# Altium PCB dAir_0.0.0.2_180421.PcbDoc (continued)
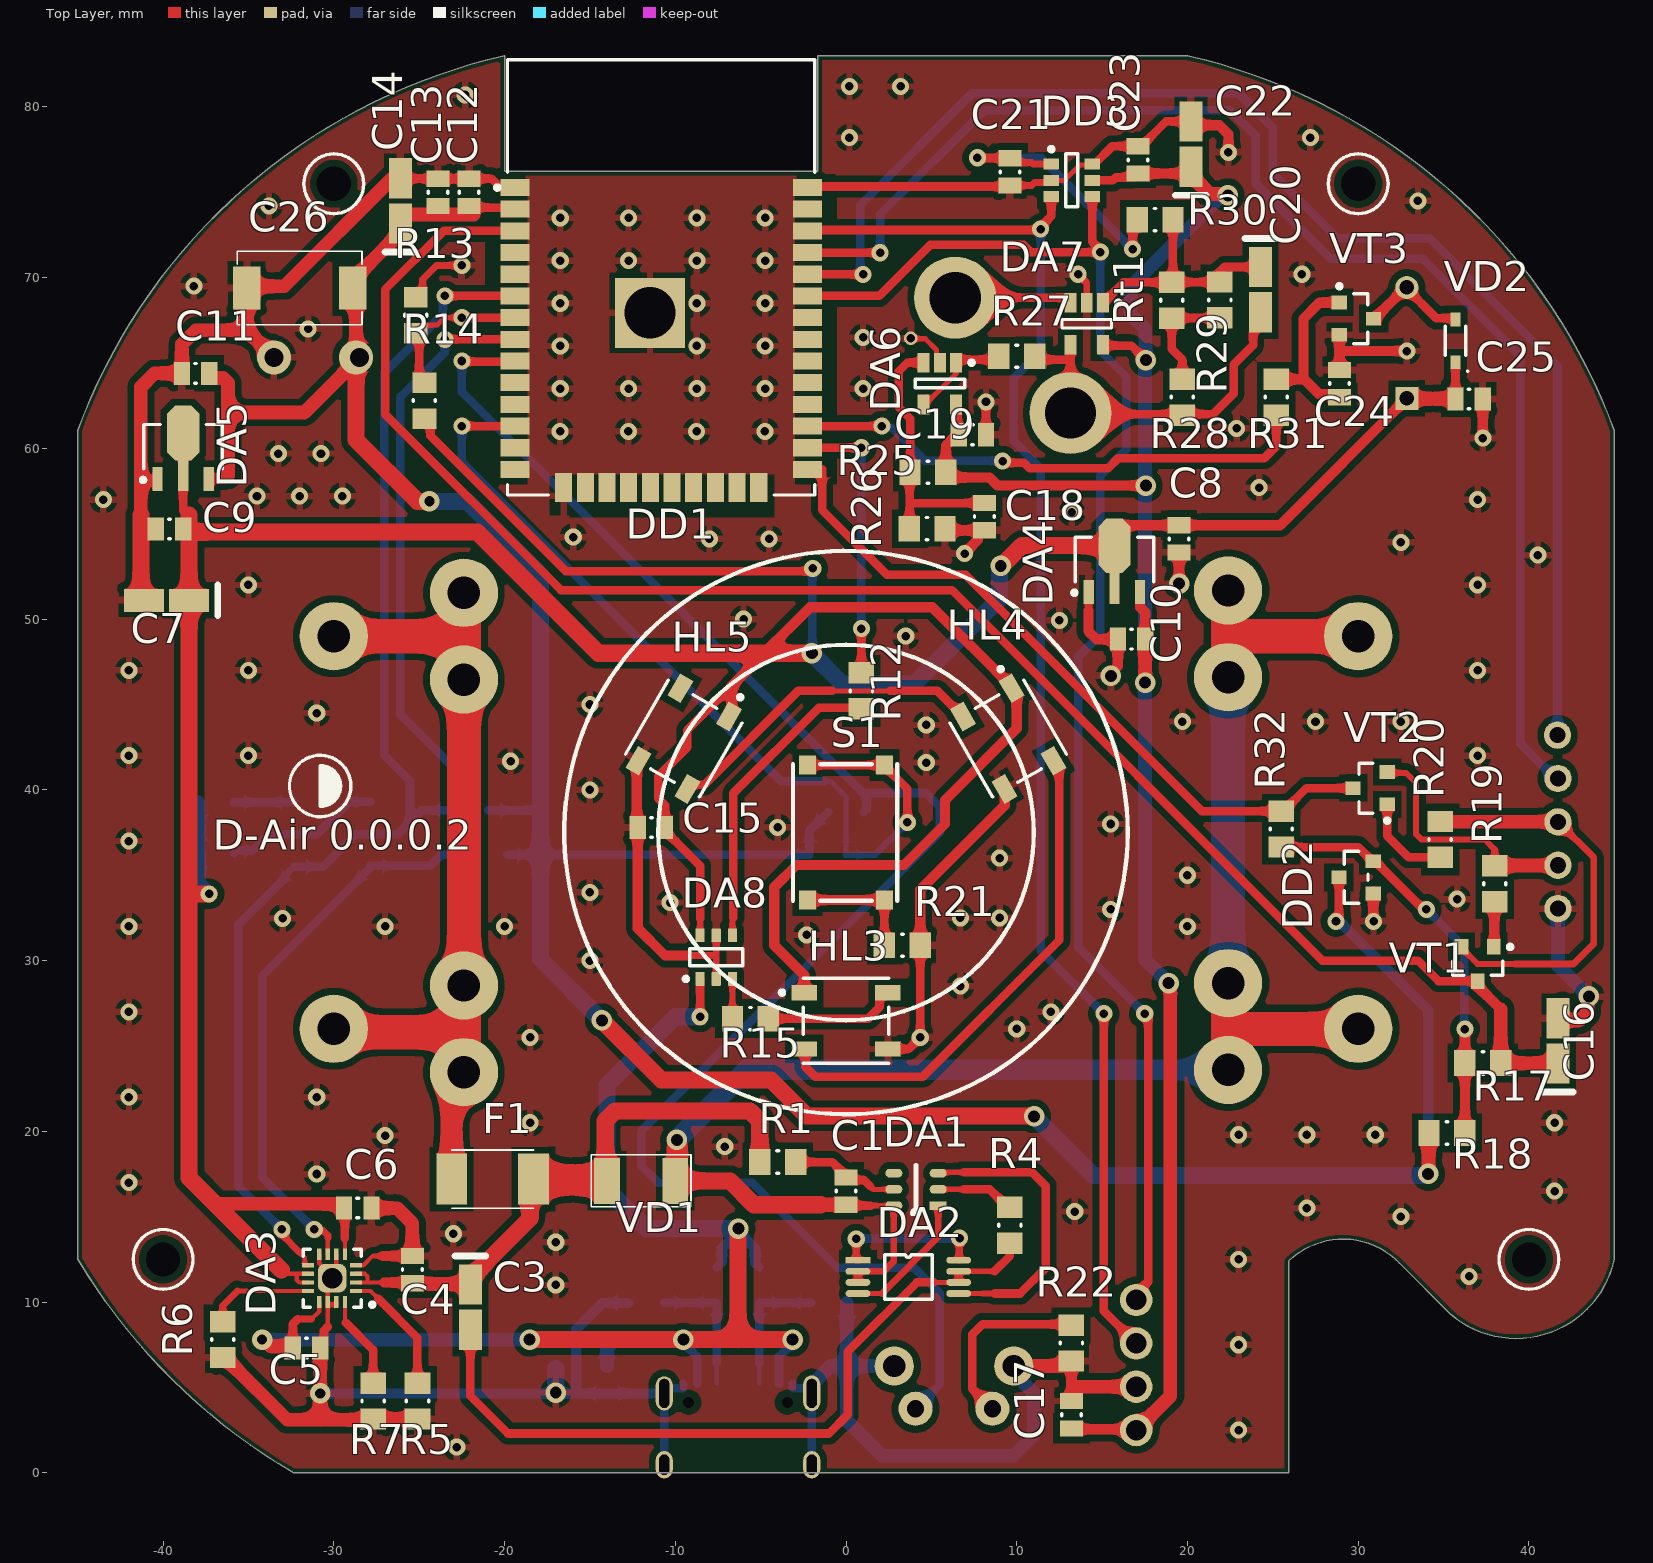
[diagram p0: Top Layer view]
## Part data
Bat1: library part АКБ_18650_KEYS54
C1 C2 C4 C5 C6 C8 C9 C10 C11 C12 C13 C15 C17 C18 C19 C21 C23: library part CMP-1036-04882-1, "CAP 4.7uF 10V ±10% 0805 (2012 Metric) Thickness 1.55mm SMD", Case-EIA=0805, Case-Metric=2012, Rated Voltage="10 V", Tolerance=Â±10%, Max Thickness="1.55 mm", Technology=SMT
C3 C7 C14 C16 C20 C22: library part CMP-2000-05172-1, Capacitance=10µF, ESR (Equivalent Series Resistance)=3.8Ohm, Lifetime @ Temp.=2000Hrs@85degC, Manufacturer=Kemet, Manufacturer Size Code=A, Operating Temperature=-55degC~125degC, Package / Case=1206(3216Metric), Package Description="2-Pin Surface Mount Device, Body 3.2 x 1.6 mm", Package Reference=1206, Standard Package=2,000, Tolerance=±10%, Voltage - Rated=10V, Catalog Drawings=T49x,T5xxSeries_A-side1T49x,T5xxSeries_A,B-side2T49x,T5xxSeries_A,SBottom, Category=Capacitors, Datasheet URL=http://www.farnell.com/datasheets/1824869.pdf, Datasheet Version=Apr-14, Family=TantalumCapacitors, Features=GeneralPurpose, Height - Seated (Max)="0.071\"(1.80mm)", Lead Spacing=-, Manufacturer URL=http://www.kemet.com/, Mounting Type=SurfaceMount, Online Catalog=T491Series, Other Names=399-3684-2, Packaging=Tape&Reel(TR), Product Training Modules=CapacitorBasics-TypicalUsesforCapacitorsDeratingGuidelinesforSurfaceMountTantalumCapacitors, Series=T491, Size / Dimension="0.126\"Lx0.063\"W(3.20mmx1.60mm)", Type=Molded
C24 C25: library part CMP-1036-04882-1, "CAP 4.7uF 10V ±10% 0805 (2012  Thickness 1.55mm SMD", Case-EIA=0805, Case-Metric=2012, Rated Voltage="10 V", Tolerance=Â±10%, Max Thickness="1.55 mm", Technology=SMT
C26: library part Cap_electrolitic
DA4 DA5: library part CMP-0204-00106-1, "100mA Low Power LDO, Output Voltage 3.0V, SOT89 Pkg", Code_IPC=SOT89, DatasheetVersion="Rev1.80, Mar-2010", PackageDescription="3-Pin SOT-89 Package 1.5 mm Pitch, 4.1 mm Lead Span", PackageReference=SOT89, PackageVersion=May-2010
DA6 DA7: library part CMP-0384-02070-2, "Single Channel Single-Supply Operation Operational Amplifier, 400 KHz BW, 100 mV/us SR, Industrial, 5-pin SOT23 (UJ-5), Reel", Amplifiers Per Package=1, Generic Part Number=AD8603, Input Bias Current=200fA, Input Offset Voltage=12uV, Manufacturer="Analog Devices", PartNumber=AD8603AUJ-REEL, Code_JEDEC=MO-193-AB, ComponentLink1Description="Manufacturer URL", ComponentLink1URL=http://www.analog.com/en/index.html, ComponentLink2Description=Datasheet, ComponentLink2URL=http://www.analog.com/static/imported-files/data_sheets/AD8603_8607_8609.pdf, ComponentLink3Description="Package Specification", ComponentLink3URL=http:/www.analog.com/static/imported-files/packages/PKG_PDF/TSOT(UJ)/UJ_5.pdf, ComponentLink4Description="Reference Circuit", ComponentLink4URL=http://www.analog.com/en/all-operational-amplifiers-op-amps/operational-amplifiers-op-amps/ad8603/products/product.html#product-recommendations, DatasheetVersion="Rev. C", Iq/Amp=50uA, Mounting Technology="Surface Mount", PackageDescription="5-Pin Thin Small Outline Transistor Package, Body 2.9 x 1.6 mm, Pitch 0.95 mm", PackageReference=UJ-5, PackageVersion=100708-A, RevisionNote="Reference Circuit URL fixed", Slew Rate=100mV/us, Small Signal Bandwidth=400KHz, V Span Max=6V, V Span Min=1.8V
DA8: library part CMP-0859-00206-3, "Single-Bit Dual-Supply Bus Transceiver with Configurable Voltage Translation and 3-State Outputs, DBV0006A, LARGE T&R", F @ Nom Voltage(Max)(Mhz)=150, Generic Part Number=SN74LVC1T45, ICC @ Nom Voltage(Max)(mA)=0.004, Manufacturer="Texas Instruments", Operating Temperature Range(C)="-40 to 85", Rating=Catalog, tpd @ Nom Voltage(Max)(ns)=15.5,8,5.8,4.4, Voltage(Nom)(V)=1.8,2.5,3.3,5, 3-State Output=Yes, Bits(#)=1, DatasheetVersion=SCES515K, Input Type=CMOS/TTL, Logic=True, Output Drive (IOL/IOH)(Max)(mA)=32/-32, Output Type=CMOS, PackageReference=DBV0006A, Schmitt Trigger=No, Sub-Family="Dual Supply Translator", Technology Family=LVC, VCC(Max)(V)=5.5, VCC(Min)(V)=1.65
DD1: library part CMP-2000-07454-1, "Espressif System, 2.7 to 3.6 V, -40 to 85 degC, 38-Pin SMD", Manufacturer=Olimex, Package Description="38-Pin Surface Mount Device, Body 18 x 25.5 mm, Pitch 1.27 mm", Datasheet URL=http://www.espressif.com/sites/default/files/documentation/esp-wroom-32_datasheet_en.pdf, Datasheet Version="Rev. 2.1, 09/2017", Manufacturer URL=https://www.olimex.com, Mounting Technology=SurfaceMount, Package Reference=ESP-WROOM-32, RoHSCompliant=false
DD2: library part CMP-07130-000007-1, "IC MPU SUPERVISORY 2.93V SOT23", Manufacturer="ON SEMICONDUCTOR", Manufacturer Part Number=MAX809STRG, Max Junction Temp=+125°C, Max Supply Voltage=5.5V, Min Supply Voltage=1V, Nominal Supply Current=0.5-0.8uA, Output Current=20mA, Output Voltage=0.3V, Package=318-08, Temperature="-40°C to +125°C", Temperature Range Low=-40°C, Threshold Voltage=2.93V, Automotive=No, Category=IC, ComponentLink2Description=Datasheet, ComponentLink2URL=https://www.onsemi.cn/PowerSolutions/document/MAX809S-D.PDF, Device Class L1="Integrated Circuits (ICs)", Device Class L2="Power Management ICs", Device Class L3="Voltage Supervisors", Digikey Description="IC MPU SUPERVISORY 2.93V SOT23", Footprint Url=https://www.onsemi.com/pub/Collateral/318-08.PDF, Height=1.11mm, Lead Free=Yes, Mouser Description="Supervisory Circuits 2.93V uP Reset", Number Of Outputs=1, Number Of Rails Monitored=1, Octopart=https://octopart.com/max809strg-on+semiconductor-509853, Reset Timeout=10us, Reset Type="Active Low", RoHS=TRUE, Standoff Height=0.01mm, Temperature Range High=+125°C
DD3: library part CMP-0188-00097-2, "18-Bit Analog-to-Digital Converter with I2C Interface and On-Board Reference, 6-Pin SOT-23, Extended Temperature, Tape and Reel", Code_IPC=SOT26A-6, ComponentLink1Description="Manufacturer URL", ComponentLink1URL=http://www.microchip.com/, ComponentLink2Description=Datasheet, ComponentLink2URL=http://ww1.microchip.com/downloads/en/DeviceDoc/22003e.pdf, ComponentLink3Description="Package Specification", ComponentLink3URL=http://www.microchip.com/stellent/groups/techpub_sg/documents/packagingspec/en012702.pdf, DatasheetVersion="revE, Aug-2009", PackageDescription="6-Lead Plastic Small Outline Transistor (CH) [SOT-23]", PackageReference=SOT-23-CH6, PackageVersion="revBB, Aug-2009", RevisionNote="URLs added."
HL1 HL2: library part SMT_LED-3.2x1.6x1.1
HL3 HL4 HL5: library part CMP-1740-00005-1, "Intelligent Control LED Integrated Light Source, 3.5 to 5.3 V, -25 to 80 degC, 4-Pin SMD, RoHS, Bulk", Case\Package=Radial, Current Rating="240 mA", Max Operating Temperature="125 degC", Min Operating Temperature="-55 degC", Package Quantity=200, Tolerance=10%, ComponentLink1Description="Manufacturer URL", ComponentLink1URL=https://www.adafruit.com/, ComponentLink2Description=Datasheet, ComponentLink2URL=https://cdn-shop.adafruit.com/datasheets/WS2812B.pdf, DatasheetVersion=May-13, Height="12.2 mm", Lead Pitch="5 mm", Length="12.2 mm", Mount="Through Hole", PackageDescription="4-Pin Surface Mount Device, Body 5 x 5 mm, Pitch 3.3 mm", PackageReference=WS2812B, Packaging=Bulk, Pins=2, Radiation Hardening=No, REACH SVHC="No SVHC", RoHSCompliant=true, Shielding=Unshielded
LS1: library part CMP-1019-00001-1, "Buzzer, 5 V, 42 Ohm, -20 to 70 degC, 2-Pin THD, Dia 12 mm, Height 8.5 mm, RoHS, Tray", Current Consumption (Max.)="35 mA", Manufacturer="Changzhou Chaoyin", Operating Temperature Range="-20 to 70 degC", Oscillation Frequency="2.048 KHz", PartNumber=cy-12085G-5042, Rated Voltage="5 V", Resistance Value="42 +/- 4 Ohm", Mounting Technology="Through Hole", PackageDescription="2-Pin Through-hole Buzzer, Dia 12 mm, Height 8.5 mm", PackageReference=CY-12085G-5042, Packing=Tray, RoHS=TRUE, Sound Pressure Level (Min.)="85 dB"
R1 R2 R2.1 R3 R3.1 R4 R5 R6 R7 R8 R9 R10 R11 R12 R13 R14 R15 R17 R18 R19 R20 R21 R22 R23 R24 R25 R26 R27 R28 R29 R30 R31 R32 Rt1: library part CMP-1013-00017-1, Case-EIA=0805, Case-Metric=2012, Power="0.125 W", Tolerance="5 %", Technology=SMT
VD2: library part CMP-1182-00006-1, "Silicon Schottky Diode, SOD323, Reel, Green", Manufacturer=Infineon, PartNumber="BAT 54-03W E6327", ComponentLink1Description="Manufacturer URL", ComponentLink1URL=http://www.infineon.com/, ComponentLink2Description=Datasheet, ComponentLink2URL=http://www.infineon.com/dgdl/bat54series.pdf?folderId=db3a30431400ef68011425f1ca2505e3&fileId=db3a304314dca3890115190b74210ea6, ComponentLink3Description="Package Specification", ComponentLink3URL=http://www.infineon.com/dgdl/SOD323-Package_Overview.pdf?folderId=db3a30431936bc4b011952aab84f3bbe&fileId=db3a30431936bc4b011952beed653be3, Green=TRUE, Mounting Technology="Surface Mount", PackageDescription="2-Pin Small Outline Diode Package, 1.25 x 1.7 mm Body", PackageReference=SOD323, Packing=Reel, RevisionNote="Lost Devices pt2"
VT1 VT2 VT3: library part CMP-1048-00737-1, "General Purpose Transistor, NPN Silicon, 3-Pin SOT-23, Pb-Free, Tape and Reel", Manufacturer="On Semiconductor", PartNumber=BC817-25LT1G, ComponentLink1Description="Manufacturer URL", ComponentLink1URL=http://www.onsemi.com/, ComponentLink2Description=Datasheet, ComponentLink2URL=http://www.onsemi.com/pub_link/Collateral/BC817-16LT1-D.PDF, ComponentLink3Description="Package Specification", ComponentLink3URL=http://www.onsemi.cn/pub_link/Collateral/318-08.PDF, DatasheetVersion="Rev. 12", fT Min (MHz)=100, IC Continuous (A)=0.5, Mounting Technology="Surface Mount", PackageDescription="3-Pin Small Outline Transistor, Body 2.92 x 1.3 mm, Pitch 0.95 mm", PackageReference=SOT-23-3-318-08, PackageVersion="Rev. AP, 11/2009", Packing="Tape and Reel", Polarity=NPN, RoHS=TRUE
XP1: library part "Pin 5x2.54mm"
XS1A: library part USB_TypeC-16Pin

## Free pads (board coordinates)
  round 1.524 hole 2 unplated: ""(-40,12.5) ""(-30,75.5) ""(30,75.5) ""(40,12.5)

## Via types
v1: diameter 1, hole 0.5, Top Layer to Bottom Layer, 128 vias
v2: diameter 1, hole 0.5, Top Layer to Bottom Layer, tented both sides, 24 vias
v3: diameter 1.2, hole 0.7, Top Layer to Bottom Layer, 19 vias
v4: diameter 1.2, hole 0.6, Top Layer to Bottom Layer, 3 vias
v5: diameter 1.4, hole 1.2, Top Layer to Bottom Layer, 1 vias
v6: diameter 0.8, hole 0.5, Top Layer to Bottom Layer, tented both sides, 1 vias
v7: diameter 3.5, hole 3, Top Layer to Bottom Layer, 1 vias

## Nets (pads, with @x,y where several pads share a name; then routed paths per layer and width w, separated by ;. In a path a pad name is that pad's centre, name@x,y a point inside that pad or via, vN(x,y) a via of type N, cw(c..) or ccw(c..) an arc to the next point about the centre after c; other vN are vias at no path point)
3V: C10.2 C17.2 C19.1 C22.1 C23.2 DA4.3 DA6.5 DA7.5 DD3.5 R25.2 XP2.1 | length 114.1
  Top Layer w0.5: DA6.5 6.525,62.5 C19.1@6.525,60.975 ; C19.1 6.55,60.85 6.525,60.875 C19.1@6.525,60.975 ; C19.1@6.6,60.9 C19.1@6.525,60.975 ; DD3.5 15.625,75.7 15.8,75.875 16.875,75.875 C23.2 ; DA7.5 15.1,66.025 16.715,66.025 v3(17.565,65.175) v3@17.515,65.125
  Top Layer w0.6: C19.1@6.6,60.9 5.85,60.15 R25.2 6.15,58.3 8.4,58.3 8.877,57.823 v3(17.565,57.823) ; C17.2 13.25,2.55 XP2.1@16.875,2.55 ; C23.2 19.825,76.1 20.2,76.475 C22.1 ; DA4.3 17.225,50.7 17.525,50.4 C10.2
  Top Layer w0.8: XP2.1 19,4.5 19,28.472 18.9,28.572 v3(18.9,28.681) ; v3(17.516,46.281) 17.521,46.285 17.521,48.821 C10.2 ; C22.1@20.2,76.475 20.2,76 21.301,74.899 22.288,74.899 v3(22.365,74.823)
  Bottom Layer w0.8: v3@17.516,65.175 v3(17.516,46.281) 17.516,30.064 v3(18.9,28.681) ; v3@17.532,65.098 17.609,65.175 17.536,65.248 17.536,66.975 16.665,67.846 16.665,69.465 21.8,74.6
5V: C2.1 C5.1 DA3.13 DA8.1 R3.1.2 R3.2 XS1A.A4/B9 XS1A.B4/A9 | length 84.4
  Top Layer w0.25: -31.3,9 -30.85,9.45 DA3.13
  Top Layer w0.4: -32.107,9 -31.3,9
  Top Layer w0.5: C5.1 -32.4,7.34 -32.4,8.707 -32.107,9 ; v1(-8.55,26.71) DA8.1
  Top Layer w0.8: v4(-34.2,7.8) -34.092,7.8 -33.707,7.415 -32.475,7.415 C5.1@-32.4,7.34
  Top Layer w1: v3(-18.525,7.8) v3(-9.525,7.8) -6.325,7.8 ; v3(-6.3,14.3) -6.325,14.275 -6.325,7.8 ; v3(-3.125,7.8) -6.325,7.8
  Bottom Layer w0.5: v3(-9.525,7.8) -9.525,7.611 -8.725,6.811 XS1A.B4/A9 ; R3.1.2 R3.1.2@-7.278,12.347 ; v3@-6.3,14.111 v3(-6.3,14.3) ; R3.2@-5.322,12.297 R3.2 ; XS1A.A4/B9 -3.925,6.811 -3.125,7.611 v3(-3.125,7.8)
  Bottom Layer w0.6: R3.1.2@-7.278,12.347 -7.278,13.132 -6.3,14.111 -5.322,13.132 R3.2@-5.322,12.297
  Bottom Layer w0.8: v4(-34.2,7.8) v3(-18.525,7.8) ; C2.1 -14,7.3 -13.5,7.8 v3(-9.525,7.8)
  Bottom Layer w1: v1(-8.55,26.71) -9.99,26.71 -14,22.7 -14,16.6 -11.7,14.3 v3(-6.3,14.3)
+E: C6.1 C7.1 C8.2 C9.2 C15.2 C25.1 DA3.5 DA3.10 DA3.11 DA4.2 DA5.2 DA8.6 HL3.1 HL4.1 HL5.1 LS1.1 R10.1 R11.1 R14.2 VD2.1 | length 262.4
  Top Layer w0.25: -33.075,11.875 -32.85,11.65 -32.175,11.65 ; DA3.11 -32.029,11.15 -32.175,11.296 -32.175,11.65 ; DA3.10 -32.175,11.65 ; DA3.5 -29.35,13.75
  Top Layer w0.3: DA4.2@15.725,51.8 DA4.2@15.725,54.3
  Top Layer w0.35: DA8.6 -8.55,32.45
  Top Layer w0.4: R14.2 R14.2@-24.55,61.6
  Top Layer w0.5: DA5.2@-38.825,60.9 -38.825,58.4 -38.825,56.45 ccw(c-38.475,56.45) -38.475,56.1 ; C6.1@-29.625,15.75 -29.4,15.525 C6.1 -29.35,15.45 -29.35,13.75 ; R14.2@-24.8,61.6 -24.545,61.6 -24.345,61.4 -24.345,60.745 -16.4,52.8 v1@-1.946,52.8 ; -8.55,32.45 -8.55,35.55 -10.6,37.6 C15.2 -10.6,39.1 -11,39.5 -11,40.8 -9.3,42.5 -9.3,43.5 -6.696,46.104 ; C25.1@35.7,63 VD2.1
  Top Layer w0.6: HL5.1 -6.696,44.447 -6.696,46.104 -4.8,48 -2.1,50.7 5.061,50.7 9.704,46.057 HL4.1 ; HL3.1 -2.45,29.15 -4.2,30.9 -4.2,34.3 -2.9,35.6 3.4,35.6 5.8,38 5.8,39.4 10,43.6 HL4.1@10,45.6 ; DA4.2@15.5,55.5 C8.2 25.425,55.5 LS1.1 ; DA4.2@15.725,54.3 15.725,54.651 DA4.2@16.375,55.301
  Top Layer w0.8: -36.95,15.75 C6.1@-29.625,15.75 ; LS1.1 32.862,62.912 35.688,62.912 C25.1
  Top Layer w1: -38.475,56.1 C9.2@-38.475,55.1 ; v1(-37.3,33.91) -38.465,33.91 -38.475,33.9 ; -33.075,11.875 -36.95,15.75 -38.475,17.275 -38.475,33.9 ; v3(-2,48) -4.8,48 -14.5,48 -21.6,55.1 C9.2@-38.475,55.1 ; v3(9.065,53.123) 9.119,53.123 10.296,54.3 DA4.2@15.725,54.3 ; -38.475,33.9 C7.1 C9.2@-38.475,55.1
  Bottom Layer w0.4: v3(-2,48) v3@-1.973,48.027 ; v1@-1.973,52.942 v1(-1.946,52.969)
  Bottom Layer w0.5: v3@-1.973,48.027 v1@-1.973,52.942
  Bottom Layer w0.8: R10.1@-37.938,39.262 -37.938,36.312 R11.1 -37.9,36.275 -37.9,34.564 -37.3,33.964 v1(-37.3,33.91)
  Bottom Layer w1: v3(-2,48) -0.2,46.2 4,46.2 9,51.2 v3@9,53.2
GND: C2.2 C4.2 C5.2 C6.2 C7.2 C8.1 C9.1 C10.1 C11.1 C12.1 C13.1 C14.2 C15.1 C16.2 C17.1 C18.1 C19.2 C21.2 C22.2 C23.1 C24.2 C25.2 C26.1.2 C26.2 DA3.4 DA3.6 DA3.8 DA3.14 DA3.15 DA3.17 DA4.1 DA5.1 DA6.2 DA7.2 DA8.2 DA8.5 DD1.1 DD1.15 DD1.38 DD2.1 DD3.2 DD3.6 HL3.3 HL4.3 HL5.3 R2.1 R2.1.1 R5.2 R6.2 R7.2 R13.1 R21.1 R22.1 R26.1 S2.3 S2.4 VT3.2 XP1.1 XP2.2 XS1A.A1/B12 XS1A.B1/A12 | length 264.4
  Top Layer w0.25: DA3.8 -30.85,12.261 -30.6,12.011 DA3.17@-30.6,11.9 ; -30.35,8.55 DA3.14@-30.35,9.85 ; DA3.15 -29.85,9.85 DA3.14@-30.35,9.85 ; DA3.6 -29.85,11.65 v5(-30.1,11.4) -30.35,11.15 DA3.14 DA3.14@-30.35,9.85 ; DA3.17@-29.625,10.9 DA3.17@-29.6,10.9 ; -28.275,12.15 -27.725,12.7 -27.1,12.7
  Top Layer w0.3: R13.1 R13.1@-24.8,69.25 ; v6(3.8,66.45) 3.825,66.425 4.641,66.425 5.3,65.766 5.3,65.225 DA6.2 ; DD3.2 12.8,75.7 13.701,76.601 14.501,76.601 DD3.6@14.55,76.65
  Top Layer w0.4: R13.1@-24.8,69.25 -24.8,69.9 -23.982,70.718 v1@-22.665,70.718 ; -9.3,30.3 -7.7,30.3 cw(c-7.7,30.2) -7.6,30.2 ; DA8.2 -7.6,30.2 ; DA8.5 -7.6,30.2 ; R26.1 R26.1@5.9,55.2 ; C21.2 10.875,75.4 11.05,75.575 11.9,75.575 DD3.2 ; v1(13.6,70.2) 13.6,70.189 14.1,69.689 DA7.2 ; 14.2,50.5 14.2,51.575 DA4.1
  Top Layer w0.5: -41.3,58.1 -40.375,58.1 -40.325,58.05 DA5.1@-40.325,57.8 ; C9.1@-40.556,55.406 C9.1 ; C5.2 -30.575,7.525 -30.575,8.325 -30.35,8.55 ; C14.2 -26.075,75.8 C13.1 C12.1 -20.77,75.8 -20.25,75.28 DD1.1@-19.4,75.28 ; C15.1@-12.252,37.852 C15.1 ; HL5.3@-12.252,41.605 HL5.3 ; DD1.38 -2.19,75.34 9.54,75.34 C21.2 ; HL3.3 3.675,24.825 v1(4.35,25.5) R21.1 ; v1(6.95,53.839) v1@6.95,53.865 ; C18.1@7.9,55.2 C18.1 ; C19.2@8.2,61.1 v1(8.2,62.725) ; DD3.6@14.55,76.65 15.6,77.7 C23.1 17.3,77.7 18.75,79.15 C22.2 C22.2@20.325,79.025
  Top Layer w0.6: -27.1,12.7 C4.2 ; C15.1@-12.252,37.852 HL5.3@-12.252,41.605 ; C15.1 -12.2,31.9 -10.6,30.3 -9.3,30.3 ; R21.1 4.35,34.15 9.296,39.096 HL4.3 HL4.3@9.406,39.944 ; R26.1@5.9,55.2 7.9,55.2 7.725,55.025 7.725,54.64 v1@6.95,53.865 ; C17.1 R22.1 ; 14.2,50.5 14.2,49.3 14.675,48.825 C10.1 15.923,48.823 15.923,47.25 15.516,46.843 v3(15.516,46.681) ; C8.1 19.508,53.892 19.508,52.089 v3(19.516,52.081) ; C22.2@20.325,79.025 20.416,78.934 21.866,78.934 22.398,78.402 v1(22.398,77.34) v1@22.321,77.417 ; C24.2 28.9,65.625 ; VT3.2 28.9,65.625 ; v1@30.887,32.3 DD2.1@30.887,33.925 ; v1(32.85,65.7) 28.975,65.7 28.9,65.625 ; v1(37.3,60.6) C25.2
  Top Layer w0.8: -41.3,56.1 -41.3,58.1 -41.3,63.6 -40.5,64.4 C11.1 -38.9,66.1 -38.075,66.925 -35.1,66.925 ; R6.2 -36.275,6.525 -36.15,6.525 -32.725,3.1 -30.8,3.1 ; C26.1.2 -35.1,66.925 ; C5.2 v4(-30.8,4.65) -30.8,3.1 ; C6.2 -26.3,15.5 -25.4,14.6 C4.2 ; R7.2 R5.2 ; R7.2@-27.449,3.1 -30.8,3.1 ; C14.2@-26.375,75.089 -26.375,75.55 C14.2@-26.125,75.8 ; C14.2 C14.2@-26.125,75.8 ; C14.2@-26.075,75.8 C14.2@-26.125,75.8 ; S2.3 12.775,6.25 13.075,6.55 R22.1 ; 13.3,5.04 XP2.2@16.925,5.04 ; DD2.1 DD2.1@30.887,33.925 ; C16.2@41.975,27.4 41.7,27.125 C16.2 41.825,26.5 42.964,26.5 43.433,26.969 43.433,27.824 v3(43.509,27.9) ; -35.1,66.925 C26.2 -34.8,69.4 -34.7,69.5 -32.9,69.5 -26.6,75.8 C14.2@-26.125,75.8
  Top Layer w1: -41.3,56.1 -41.3,51.275 C7.2
  Bottom Layer w0.5: -10.645,0.47 -10.645,4.65 ; -10.414,4.937 -9.575,4.937 -9.525,4.987 XS1A.B1/A12 ; XS1A.A1/B12 -3.125,4.987 -3.075,4.937 -2.236,4.937 ; -2.005,0.47 -2.005,4.65
  Bottom Layer w0.6: v4(-30.8,4.65) C2.2 -10.645,4.65 ; -15.8,4.7 -15.8,8.4 -14.25,9.95 R2.1.1
  Bottom Layer w0.8: -2.005,4.65 -2.005,5.146 -0.901,6.25 0.05,6.25 ; R2.1 0.05,6.25 ; S2.4 0.05,6.25 ; S2.3 9.825,5.844 11,4.669 11,2.2 9.8,1 2.1,1 0.05,3.05 0.05,6.25 ; XP1.1 41.7,29.71 v3(43.509,27.9)
  Bottom Layer w1: v3(-17,4.7) -17,6.1
  other v1: -22.8,1.5 23,2.5 23,7.5 -17,11 36.5,11.5 23,12.5 -17,13.5 -23,14 32.5,15 13.4,15.3 27,15.5 41.5,16.5 -42,17 -31,17.5 -7.1,19.1 -27,19.75 23,19.8 27,19.8 31,19.8 -18.5,20.5 41.5,20.5 -42,22 -31,22 -18.5,25.5 10,26 -42,27 12,27 6.7,28.5 -15,30 -2.3,31.5 -42,32 -27,32 -20,32 20,32 30.9,32.3 -33,32.475 6.7,32.5 9,32.5 15.5,33 -10.3,33.4 35.8,33.6 -15,34 20,35 9,36 -42,37 -4,37.8 15.5,38 -15,40 4.7,41.6 -19.65,41.675 -42,42 -35,42 37,42 4.7,43.8 19.7,44 27.5,44 32.5,44 -31,44.5 -15,45 -42,47 -35,47 37,47 3.5,49 12.5,49.925 -6,50 -35,52 37,52 40.525,53.75 32.5,54.5 -15.975,54.8 13.225,56.25 -43.5,57 37,57 -34.5,57.2 -32,57.2 -29.5,57.2 24.2,57.7 -33.25,59.7 -30.75,59.7 22.88,61.177 1,63.5 1,66.5 -31.5,67 -38.2,69.5 26.7,70.2 -22.5,70.718 -33.8,74.2 33.5,74.5 0.2,78.2 27.2,78.2 -22.3,80.7 0.2,81.2 3.2,81.2
  other v2: -8,54.7 -4.5,54.7 -16.75,61 -12.75,61 -8.75,61 -4.75,61 -16.738,63.5 -12.738,63.5 -8.738,63.5 -4.738,63.5 -16.738,66 -8.738,66 -4.738,66 -16.738,68.5 -8.738,68.5 -4.738,68.5 -16.738,71 -12.738,71 -8.738,71 -4.738,71 -16.738,73.5 -12.738,73.5 -8.738,73.5 -4.738,73.5
  other v7: -11.48,67.94
NetBAT1_1: Bat1.1 Bat2.1 F1.1 | length 50
  Top Layer w1.3: F1.1 -23.1,22.74 Bat1.1@-22.38,23.46
  Top Layer w2: Bat1.1@-30,26 -29.8,25.8 -22.38,25.8 ; Bat2.1@-30,49 -22.38,49 ; Bat1.1@-22.38,23.46 -22.38,25.8 ; Bat2.1@-22.38,51.54 -22.38,49 ; -22.38,25.8 -22.38,28.54 -22.38,46.46 -22.38,49
NetBAT1_2: Bat1.2 Bat2.2 C1.2 DA1.6 DA2.2 DA2.3 VD1.2 | length 99.7
  Top Layer w0.3: 1.45,15.65 DA1.6
  Top Layer w0.4: DA2.3 DA2.2 2.2,11.8 2.8,12.4 DA1.6
  Top Layer w0.5: C1.2@0.3,15.7 0.35,15.65 1.45,15.65
  Top Layer w0.8: -1.5,15.7 C1.2
  Top Layer w1: VD1.2 -6.8,17.1 -5.4,15.7 -1.5,15.7
  Top Layer w1.2: VD1.2 -9.884,17.216 v3@-9.884,19.2
  Top Layer w2: Bat1.2@22.38,23.597 22.38,26.137 ; Bat1.2@22.38,28.677 22.38,26.137 ; Bat2.2@22.38,46.597 22.38,49.137 ; Bat2.2@22.38,51.677 22.38,49.137 ; Bat1.2@30,26 22.517,26 22.38,26.137 ; Bat2.2@30,49 22.517,49 22.38,49.137
  Bottom Layer w1.2: v3(-9.9,19.5) -5.803,23.597 22.38,23.597 Bat1.2@23.13,23.597
  Bottom Layer w2: Bat1.2@22.38,28.677 Bat2.2@22.38,46.597
NetC1_1: C1.1 DA1.5 R1.2 | length 6.5
  Top Layer w0.3: 1.4,16.8 1.6,16.6 DA1.5
  Top Layer w0.5: R1.2 -0.8,18.2 C1.1@0.1,17.3 ; C1.1 C1.1@0.1,17.3 ; 1.4,16.8 1.055,17.145 0.255,17.145 C1.1@0.1,17.3
NetC3_1: C3.1 C4.1 DA3.2 DA3.3 F1.2 R1.1 VD1.1 | length 34.6
  Top Layer w0.25: DA3.3 -28.171,11.65 -28.025,11.504 -28.025,11.15 ; DA3.2@-28.55,11.15 -27.8,11.15 -27.05,11.15
  Top Layer w0.6: -27.05,11.15 C4.1@-25.45,11.15
  Top Layer w0.8: C4.1@-25.363,11.063 C3.1@-22.038,11.063
  Top Layer w1: C3.1@-22,11.4 -22,11.525 -21.825,11.7 -21.7,11.7 -18.511,14.889 -18.511,16.989 F1.2 ; VD1.1 -14.1,17.2 -14.1,20.614 -13.514,21.2 -5.636,21.2 -5.05,20.614 R1.1
  Top Layer w1.8: F1.2 -18.3,17.15 VD1.1@-14.15,17.15
NetC3_2: C3.2 DA2.6 DA2.7 R4.2 | length 44.5
  Top Layer w0.3: 5.15,11.15 DA2.6 ; DA2.7 8.7,11.8
  Top Layer w0.4: DA2.6 DA2.7
  Top Layer w0.5: C3.2 -22,4.5 -19.8,2.3 -1,2.3 0.1,3.4 0.1,7.1 4.15,11.15 5.15,11.15 ; 8.7,11.8 9.6,12.7 R4.2 R4.2@9.268,13.118
NetC16_1: C16.1 DD1.3 R17.2 VT1.3 | length 102.8
  Top Layer w0.5: DD1.3 -23.56,72.74 -27,69.3 -27,62 -16.7,51.7 6.2,51.7 27.9,30 33.5,30 34.7,28.8 VT1.3
  Top Layer w0.6: VT1.3 37,28.5 38.35,27.15
  Top Layer w0.8: 38.35,27.15 R17.2 38.362,23.987 41.687,23.987 C16.1
NetC18_2: C18.2 DA6.3 R25.1 R26.2 | length 15.6
  Top Layer w0.5: R26.2 3.725,55.325 3.725,56.9 ; DA6.3 3.6,65.025 3.1,64.525 3.1,62.4 3.75,61.75 R25.1 3.725,58.575 3.725,56.9 ; C18.2 3.825,56.8 3.725,56.9
NetC20_1: C20.1 DA7.1 R29.2 R30.1 Rt1.2 | length 14.3
  Top Layer w0.5: DA7.1 15.05,68.75 15.15,68.85 15.375,68.85 16.25,69.725 Rt1.2 Rt1.2@19.087,69.737 ; R30.1 19.15,69.8 Rt1.2@19.087,69.737 ; C20.1 22.193,70.625 21.9,70.332 R29.2 21.887,69.737 Rt1.2@19.087,69.737
NetC20_2: C20.2 DA7.4 R27.2 R28.1 V1_1.1W | length 21.7
  Top Layer w0.5: R27.2@11.05,65.2 13.05,65.2 13.15,65.1 ; DA7.4@13.113,66.112 DA7.4 13.15,65.1 ; C20.2 23.85,67.55 23.85,66.05 22.7,64.9 22.7,63.2 21.51,62.01 19.7,62.01 13.21,62.01 V1_1.1W 13.15,65.1
NetC21_1: C21.1 DD3.1 R30.2 | length 17.6
  Top Layer w0.4: C21.1 9.862,76.737 10.875,76.737 10.962,76.65 DD3.1
  Top Layer w0.5: v1(7.692,77.025) 7.704,77.012 9.588,77.012 C21.1 ; v1(16.785,71.668) 16.785,73.135 R30.2
  Bottom Layer w0.5: v1(7.692,77.025) 7.704,77.012 11.441,77.012 v1(16.785,71.668)
NetC24_1: C24.1 R31.1 VT3.1 | length 10.2
  Top Layer w0.6: R31.1 26.8,64.05 ; C24.1 28.725,63.175 27.725,63.175 26.85,64.05 26.8,64.05 ; VT3.1 27.75,68.55 26.8,67.6 26.8,64.05
NetDA1_1: DA1.1 DA2.4 | length 7.9
  Top Layer w0.3: DA2.4 2.1,10.5
  Top Layer w0.4: 2.1,10.5 5.4,13.8 DA1.1
NetDA1_2: DA1.2 R4.1 | length 4.6
  Top Layer w0.3: DA1.2 6.9,16.6
  Top Layer w0.5: 6.9,16.6 8.425,16.6 9.475,15.55 R4.1
NetDA1_3: DA1.3 DA2.5 | length 17.2
  Top Layer w0.3: DA1.3 5.438,17.588 5.83,17.588 5.841,17.6 6.9,17.6 ; DA2.5 8.7,10.5
  Top Layer w0.5: 6.9,17.6 10.9,17.6 11.7,16.8 11.7,12 10.2,10.5 8.7,10.5
NetDA2_1: DA2.1 DA2.8 | length 8.8
  Top Layer w0.4: v1(0.6,13.7) 0.6,12.45 DA2.1 ; DA2.8 6.628,12.45 6.628,13.717 v1(6.655,13.745)
  Bottom Layer w0.4: v1(0.6,13.7) v1@0.622,13.722 ; v1@6.633,13.722 v1(6.655,13.745)
  Bottom Layer w0.5: v1@0.622,13.722 v1@6.633,13.722
NetDA3_1: DA3.1 R5.1 | length 7.4
  Top Layer w0.25: DA3.1 -27.85,10.65 -27.4,10.2
  Top Layer w0.5: -27.4,10.2 -25.1,7.9 R5.1
NetDA3_7: DA3.7 DD1.8 HL1.1 R8.2 | length 70.6
  Top Layer w0.25: DA3.7 -30.35,13.75
  Top Layer w0.4: v1@-31.095,14.2 -30.643,14.2 -30.35,13.907 -30.35,13.75
  Top Layer w0.5: v1@-31.095,14.2 v1(-31.145,14.25) v1@-31.01,14.25 ; v1(-23.5,66.39) DD1.8
  Bottom Layer w0.3: R8.2 -22,40.3
  Bottom Layer w0.4: HL1.1@-27.875,35.425 HL1.1
  Bottom Layer w0.5: v1(-31.145,14.25) -34.2,17.305 -34.2,29.1 HL1.1@-27.875,35.425 ; HL1.1 -24.35,35.55 -23.7,36.2 R8.2 ; v1(-23.5,66.39) -23.5,65.614 -26.1,63.014 -26.1,44.4 -22,40.3
NetDA3_9: DA3.9 DD1.6 HL2.1 R9.2 | length 74.3
  Top Layer w0.25: v1@-33.1,14.195 v1(-33.045,14.25) ; -32,12.9 -31.7,12.6 -31.7,12.155 -31.695,12.15 DA3.9
  Top Layer w0.4: v1@-33.045,13.945 -32,12.9 ; v1@-23.557,68.93 v1(-23.5,68.93)
  Top Layer w0.5: v1@-33.045,13.945 v1(-33.045,14.25) ; v1(-23.5,68.93) DD1.6
  Bottom Layer w0.4: HL2.1@-32.875,34.825 -32.875,34.95 HL2.1 ; v1@-23.615,68.815 v1(-23.5,68.93)
  Bottom Layer w0.5: v1(-33.045,14.25) -35.6,16.805 -35.6,32.1 HL2.1@-32.875,34.825 ; HL2.1 -30.637,35.5 -28.737,37.4 -26.238,37.4 -25.538,38.1 ; v1@-23.615,68.815 -23.615,67.853 -27.05,64.418 -27.05,42.05 -25.538,40.538 -25.538,38.1 ; R9.2 -24.838,38.8 -25.538,38.1
NetDA3_12: DA3.12 R6.1 | length 6.3
  Top Layer w0.25: -35.65,10.65 -33.55,10.65 DA3.12
  Top Layer w0.4: R6.1 -36.5,9.8 -35.65,10.65
NetDA3_16: DA3.16 R7.1 | length 5.4
  Top Layer w0.25: DA3.16 -29.35,8.85 -29.3,8.8
  Top Layer w0.5: -29.3,8.8 -27.7,7.2 R7.1
NetDA6_1: DA6.1 DA6.4 R27.1 | length 6.5
  Top Layer w0.3: DA6.4@4.45,62.475 DA6.4 4.55,62.8 DA6.4@4.75,63 ; DA6.4@4.6,62.525 6.45,64.375 DA6.1
  Top Layer w0.5: DA6.1 6.625,65.2 R27.1@8.95,65.2
NetDA7_3: DA7.3 V1_1.2C | length 7
  Top Layer w0.5: V1_1.2C 13.05,68.825 13.15,68.725 DA7.3
NetDA8_3: DA8.3 R15.1 | length 2.3
  Top Layer w0.35: R15.1 DA8.3
NetDA8_4: DA8.4 R12.1 | length 17.8
  Top Layer w0.35: DA8.4 -6.65,32.416
  Top Layer w0.5: -6.6,32.5 -6.6,39.8 -1.6,44.8 0.85,44.8 R12.1
NetDD1_7: DD1.7 R13.2 R14.1 | length 9.3
  Top Layer w0.3: R13.2 -24.725,67.225 -23.938,67.225 -23.503,67.66 v1(-22.5,67.66)
  Top Layer w0.5: R13.2 -25,66.55 -25,64.15 R14.1 ; v1(-22.5,67.66) DD1.7
NetDD1_9: DD1.9 R23.1 S2.2 | length 100.4
  Top Layer w0.4: v1@-22.5,65.05 v1@-22.465,65.085 ; DD1.9@-19.435,65.085 DD1.9
  Top Layer w0.5: v1@-22.465,65.085 DD1.9@-19.435,65.085
  Bottom Layer w0.5: v1(-22.5,65.12) -22.5,63.3 0.984,39.816 1.2,39.816 ; R23.1 1.2,38.85 1.2,39.816 ; S2.2 5.5,5.175 5.5,10.5 4,12 -0.5,12 -5.5,17 -11,17 -12,18 -12,20 5.5,37.5 5.5,39 4.684,39.816 1.2,39.816
NetDD1_12: DD1.12 R24.1 S1.3 S1.4 | length 52
  Top Layer w0.4: S1.4@2.25,41.4 S1.4
  Top Layer w0.5: v1(-22.5,61.31) DD1.12 ; S1.3 S1.4 ; S1.4@2.25,41.4 3.6,40.05 v1(3.6,38.1)
  Bottom Layer w0.3: -1.3,40.5 -0.9,40.5 0,39.6 R24.1
  Bottom Layer w0.4: R24.1 1.7,36.2 v1(3.6,38.1)
  Bottom Layer w0.5: v1(-22.5,61.31) -22.5,59.2 -3.8,40.5 -1.3,40.5
NetDD1_25: DD1.25 R32.1 VT2.3 | length 42.2
  Top Layer w0.5: DD1.25 -1.4,58.77 -1.4,56.4 2.4,52.6 7,52.6 20.85,38.75 R32.1 25.625,38.75 26.975,40.1 VT2.3
NetDD1_26: DD1.26 R12.2 | length 16.3
  Top Layer w0.5: DD1.26 v1(0.9,60.04) ; R12.2@0.9,46.9 v1(0.9,49.44)
  Bottom Layer w0.5: v1(0.9,49.44) v1(0.9,60.04)
NetDD1_27: DD1.27 R31.2 | length 30.9
  Top Layer w0.5: DD1.27 v1(2.1,61.31) ; v1(9.175,59.25) 9.271,59.154 10.421,59.154 10.75,58.825 15.35,58.825 15.95,59.425 24.5,59.425 25.2,60.125 R31.2 R31.2@25.209,61.941
  Bottom Layer w0.5: v1(2.1,61.31) 2.196,61.214 2.686,61.214 4.625,59.275 9.1,59.275 v1@9.175,59.35
NetDD1_33: DD1.33 DD3.4 XP2.4 | length 88.2
  Top Layer w0.5: DD1.33 1.95,68.93 4.945,71.925 10.4,71.925 10.825,71.5 v1(14.9,71.5) 14.9,71.635 14.425,72.11 DD3.4 ; XP2.4@17.5,10.62 XP2.4 17,10.499 17.7,11.199 17.7,26.554 17.5,26.754 v1(17.5,26.889)
  Bottom Layer w0.5: v1(14.9,71.5) 14.9,65.7 16.425,64.175 16.425,59.95 14.9,58.425 14.9,49.097 13.6,47.797 13.6,30.789 v1(17.5,26.889)
  Bottom Layer w0.8: XP2.4 XP2.4@17.21,10.33
NetDD1_34: DD1.34 XP1.5 | length 80.8
  Top Layer w0.5: DD1.34@-2.245,70.195 v1@0.995,70.195
  Top Layer w0.6: DD1.34 DD1.34@-2.245,70.195 ; v1@0.995,70.195 v1(1,70.19)
  Bottom Layer w0.5: v1@0.829,70.19 v1@0.829,70.226 ; v1@0.904,70.301 v1@0.829,70.226 ; XP1.5 41.675,64.825 34.2,72.3 28.8,72.3 25,76.1 25,78.8 23,80.8 7.4,80.8 0.829,74.229 v1@0.829,70.226
NetDD1_35: DD1.35 XP1.4 | length 79.8
  Top Layer w0.5: DD1.35@-2.245,71.465 v1@1.995,71.465
  Top Layer w0.6: DD1.35 DD1.35@-2.245,71.465 ; v1@1.995,71.465 v1(2,71.46)
  Bottom Layer w0.5: v1(2,71.46) 2,73.7 8.1,79.8 22.5,79.8 24,78.3 24,75.5 28.4,71.1 33.8,71.1 39.5,65.4 39.5,42.7 XP1.4@41.617,40.582
NetDD1_36: DD1.36 DD3.3 XP2.3 | length 84.7
  Top Layer w0.5: DD1.36 -2.198,72.792 11.348,72.792 v1(11.4,72.844) 11.4,72.98 12.025,73.605 DD3.3 ; v1(15.1,26.889) 15.1,9.48 XP2.3
  Bottom Layer w0.5: v1(11.4,72.844) 11.4,65.7 9.825,64.125 9.825,60.425 11.4,58.85 11.4,30.589 v1(15.1,26.889)
NetDD2_2: DD2.2 R17.1 R18.1 R32.2 | length 24
  Top Layer w0.5: R32.2 30,36.65 30.825,35.825 DD2.2 31.025,35.675 31.144,35.675 33.724,33.096 33.904,33.096 v1(34,33)
  Top Layer w0.6: R18.1 R17.1 v1(36.25,25.989)
  Bottom Layer w0.5: v1(34,33) 36.2,30.8 36.2,26.039 v1(36.25,25.989)
NetHL1_2: HL1.2 R11.2 | length 9.2
  Bottom Layer w0.5: R11.2 -35.668,36.457 -34.743,36.457 -33.8,37.4 -31,37.4 -29.1,39.3 HL1.2
NetHL2_2: HL2.2 R10.2 | length 3.5
  Bottom Layer w0.5: R10.2 HL2.2@-32.35,39.275
NetHL3_2: HL3.2 HL4.4 | length 30
  Top Layer w0.5: HL3.2 -2.384,24.725 -2.384,23.784 -1.8,23.2 4.5,23.2 12.5,31.2 HL4.4@12.5,41.4 ; HL4.4 HL4.4@12.365,41.492
NetHL3_4: HL3.4 R15.2 | length 8
  Top Layer w0.5: R15.2 1.3,26.6 1.95,27.25 1.95,27.925 2.15,28.125 HL3.4
NetHL4_2: HL4.2 HL5.4 | length 19.1
  Top Layer w0.3: -0.8,45.8 2.6,45.8
  Top Layer w0.5: HL5.4 -9.046,40.304 -8.296,40.304 -2.8,45.8 -0.8,45.8 ; 2.6,45.8 5.343,45.8 HL4.2
NetLS1_2: LS1.2 VD2.2 VT3.3 | length 6.4
  Top Layer w0.5: LS1.2@32.775,69.425 34.575,67.625 35.65,67.625 35.7,67.575 VD2.2
  Top Layer w0.6: VT3.3 30.95,67.6 32.775,69.425 LS1.2
NetR2.1_2: R2.1.2 R3.1.1 XS1A.A8 | length 7.8
  Bottom Layer w0.25: XS1A.A8 -7.575,6.425
  Bottom Layer w0.5: R2.1.2 R3.1.1 -7.575,6.425
NetR2_2: R2.2 R3.1 XS1A.A5 | length 7.7
  Bottom Layer w0.25: XS1A.A5 -5.075,6.425
  Bottom Layer w0.5: -5.075,6.425 R3.1 R2.2
NetR19_1: R19.1 VT1.1 | length 2.7
  Top Layer w0.6: VT1.1 37.975,30.825 37.975,33.425 R19.1
NetR19_2: R19.2 VT2.2 XP1.2 | length 14.6
  Top Layer w0.35: VT2.2 31.75,41 32.8,41 33.4,40.4 33.4,37.4 33.7,37.1 37.4,37.1 38,36.5
  Top Layer w0.4: R19.2 38,36.5
  Top Layer w0.8: R19.2 38.017,35.567 41.682,35.567 XP1.2
NetR20_1: R20.1 VT2.1 | length 5.5
  Top Layer w0.5: VT2.1 31.7,37.3 32.95,36.05 R20.1
NetR20_2: R20.2 VT1.2 XP1.3 | length 23.6
  Top Layer w0.35: VT1.2 36.05,30.75 36.753,30.047 37,29.8 39.2,29.8
  Top Layer w0.4: 39.2,29.8 42.6,29.8 43.8,31 43.8,36.025 XP1.3
  Top Layer w0.8: R20.2 34.812,38.137 41.687,38.137 XP1.3
NetR21_2: R21.2 S1.1 S1.2 | length 7.2
  Top Layer w0.5: R21.2 S1.2
  Top Layer w0.6: S1.1 S1.2
NetR22_2: R22.2 S2.1 | length 10.9
  Top Layer w0.5: S2.1 7.4,4.925 7.4,8.1 8,8.7 13.15,8.7 R22.2
NetR28_2: R28.2 R29.1 Rt1.1 | length 6.7
  Top Layer w0.5: R28.2 19.7,65.2 19.075,65.825 Rt1.1 19.087,67.637 21.887,67.637 R29.1
NetS2_3: 
"V ESP": C11.2 C12.2 C13.2 C14.1 C26.1 C26.1.1 DA5.3 DD1.2 DD2.3 R8.1 R9.1 R18.2 R23.2 R24.2 | length 177.5
  Top Layer w0.5: DA5.3 -36.4,58.2 -36.2,58.4 ; C12.2 -21.98,74.105 -19.495,74.105 DD1.2 ; v1@28.7,32.289 v1(28.7,32.3) 28.7,32.424 28.875,32.599 DD2.3
  Top Layer w0.8: C11.2 -37.3,64.2 -37.225,64.125 -36.494,64.125 -36.2,63.831 -36.2,62.1 ; -36.2,58.4 -36.2,62.1 ; -21.8,73.7 -25.825,73.7 -26.1,73.425 C14.1 -26.375,72.9 -26.375,72.375 -28.9,69.85 C26.1 -28.7,69.2 -28.7,65.525 C26.1.1 -28.7,65.125 -31.725,62.1 -36.2,62.1 ; v3(34.1,17.5) 34.125,17.525 34.125,19.875 R18.2
  Top Layer w1: C26.1.1@-28.7,65.125 -28.7,60.5 -25.1,56.9 v4(-24.4,56.9) v4@-24.438,56.938 ; v3(-14.3,26.5) -10.8,23 -4.4,23 -2.3,20.9 v3@10.8,20.9
  Bottom Layer w0.5: R9.1 -17.9,38.8 ; R8.1 -17.9,36.2 R24.2 -2.15,37.6 -1.55,38.2 -1.525,38.2 -1.05,38.675 R23.2
  Bottom Layer w0.6: v1@28.8,32.4 34.1,27.1 v3(34.1,17.5)
  Bottom Layer w1: v4(-24.4,56.9) -22.2,56.9 -17.9,52.6 -17.9,38.8 -17.9,36.2 -17.9,30.1 v3(-14.3,26.5) ; v3(11.016,20.881) 14.497,17.4 v3@33.717,17.4
pads on no net: C26. DA1.4 DD1.4 DD1.5 DD1.10 DD1.11 DD1.13 DD1.14 DD1.16 DD1.17 DD1.18 DD1.19 DD1.20 DD1.21 DD1.22 DD1.23 DD1.24 DD1.28 DD1.29 DD1.30 DD1.31 DD1.32 DD1.37 HL5.2 VD1.0 XP2. XS1A. XS1A.A6 XS1A.A7 XS1A.B5 XS1A.B6 XS1A.B7 XS1A.B8

## Polygon pours and split planes (outlines as drawn)
no net on Top Overlay "NONET_L01_P000" (solid, pour order 0): -30.8,41.4 cw(c-30.8,40.2) -29.6,40.2 cw(c-30.8,40.2) -30.8,39
GND on Top Layer "GND_L01_P009" (solid, remove dead copper, pour order 9): -45,0 45,0 45,83 -45,83
GND on Bottom Layer "GND_L02_P008" (solid, remove dead copper, pour order 8): -45,0 45,0 45,83 -45,83

## Silkscreen, mask and mechanical layers (free items; w line width, h text height)
Top Overlay:
  circle w0.2: c-30.8,40.225 r1.8
  circle w0.2: c-30,75.5 r1.75
  circle w0.2: c30,75.5 r1.75
  circle w0.2: c40,12.5 r1.75
  circle w0.2: c-40,12.5 r1.75
  circle w0.254: c0,37.5 r16.5
  circle w0.254: c0,37.5 r11
  lines w0.2: -30.8,39.025 ccw(c-30.8,40.225) -30.8,41.425 -30.8,40.225 -30.8,39.025
  text "D-Air 0.0.0.2" at -37.106,35.9 h3
Bottom Overlay:
  lines w0.254: -33.975,30 33.95,30 ; -33.975,45.125 33.95,45.125
Mechanical 1:
  lines w0.25: -45,12.5 -45,61.05 cw(c-12.241,48.95) -20,83 ; -44.997,12.506 ccw(c-14.036,31.139) -32.37,0 25.925,0 25.925,12.4 ; 25.926,12.4 cw(c29.113,9.095) 32.417,12.282 35.387,9.313 ; 45,12.5 45,61.05 ccw(c12.241,48.95) 20,83 -1.65,83 -1.65,76.225 -20,76.225 -20,83 ; -20,83 -20,83
  lines w0.254: 25.926,12.4 25.926,12.4 ; 35.384,9.311 ccw(c39.246,13.752) 44.998,12.506 cw(c36.275,8.95) 45,12.5 ; 25.925,12.4 25.926,12.4